# Allegro board MK60_PACK_V20A.brd (continued)
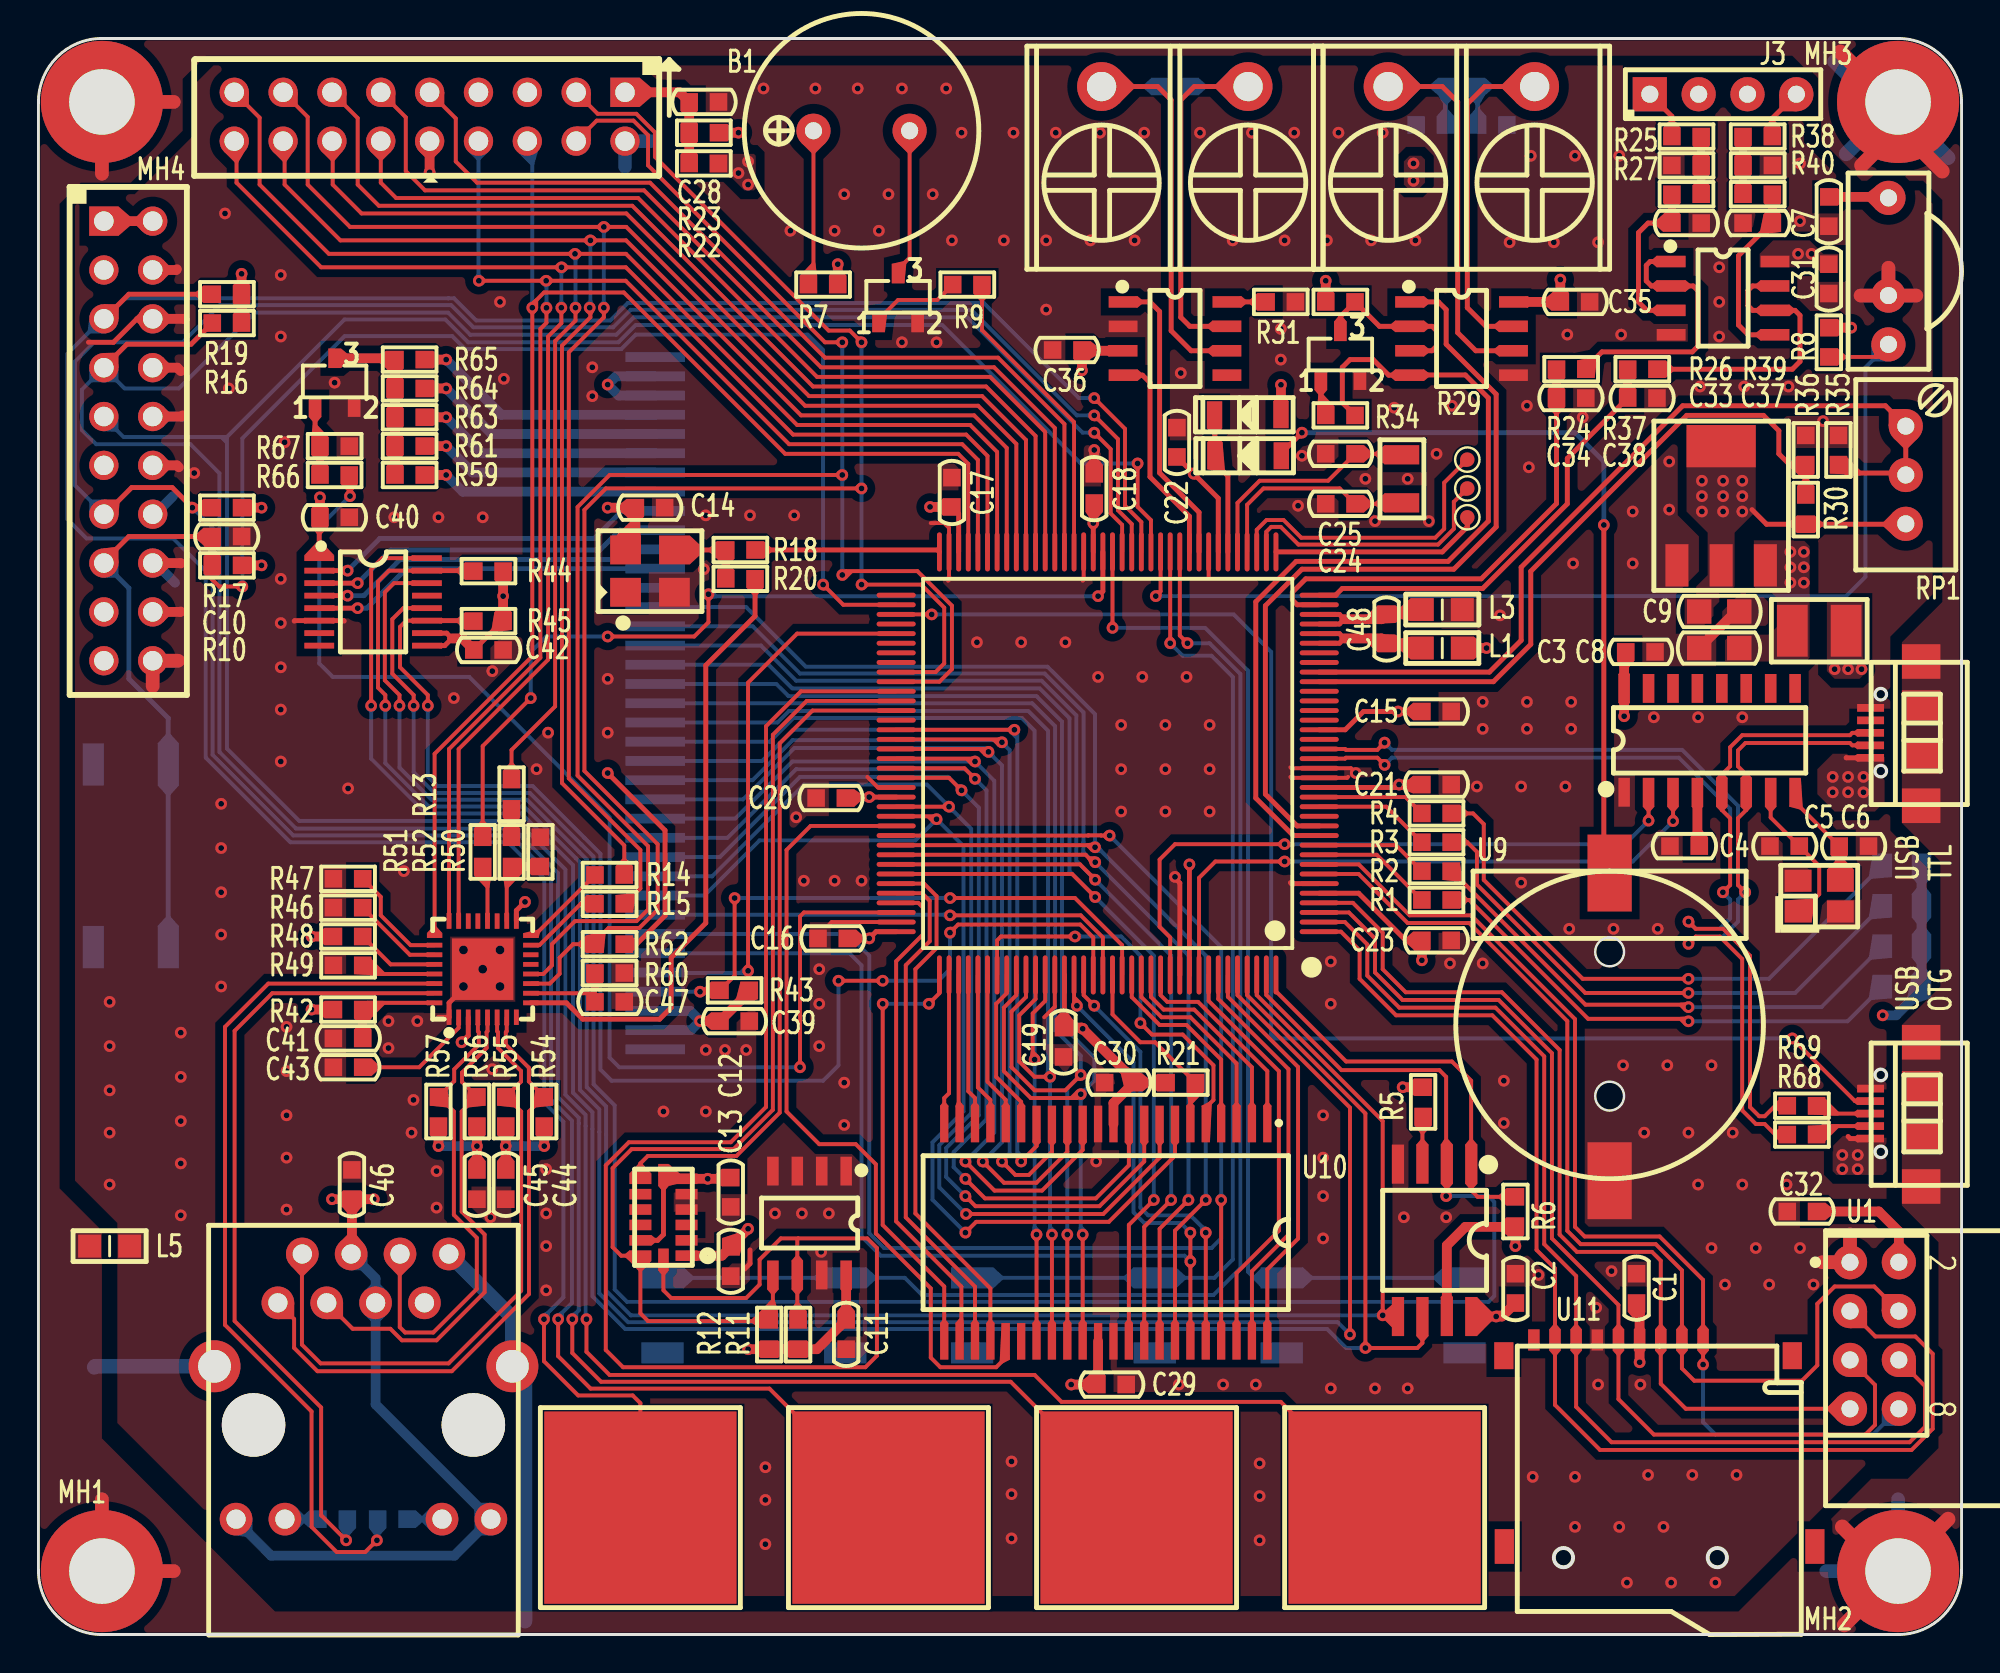
[diagram p0: board, top side]
## Routing (per net, layer and track width the routed paths; a pad name or vN(x,y) marks a point on that pad's centre or on a via; arc(x,y) is an arc through that point) (continued)
SDHC0_D0: length 57.7
  TOP w0.203: U1.6 98.1,12.92 98.1,10.8 97.3,10 81.8,10 79.96,11.84 U11.7 79.96,18.64 78.3,20.3 78.3,30.07 75.77,32.6 70.77,32.6 69.1,34.27 69.1,35.89 67.94,37.05 U4.2
SDHC0_D1: length 63.5
  TOP w0.203: U4.1 67.73,36.55 68.7,35.58 68.7,34.1 70.6,32.2 75.6,32.2 77.9,29.9 77.9,20 78.86,19.04 U11.8 78.86,11.94 81.2,9.6 97.4,9.6 98.5,10.7 98.5,14.6 97.6,15.5 95.52,15.5 U1.3
SDHC0_D2: length 53.6
  TOP w0.203: v1(86.56,14.04) U11.1 86.56,18.44 84.3,20.7 80.4,20.7 79.9,21.2 79.9,32 74.5,37.4 71.3,37.4 68.65,40.05 U4.8
  BOTTOM w0.203: v1(86.56,14.04) 86.56,11.04 87.2,10.4 95.4,10.4 U1.8
SDHC0_D3: length 54.9
  TOP w0.203: U4.7 68.65,39.55 71.2,37 74.4,37 79.5,31.9 79.5,21 80.2,20.3 84.1,20.3 85.46,18.94 U11.2 85.46,13.84 86.1,13.2 91.7,13.2 92.5,14 92.5,17.2 93.4,18.1 95.46,18.1 U1.4
SDHC0_DCLK: length 53.8
  TOP w0.203: U1.5 95.5,12.98 95.5,10.9 95,10.4 84,10.4 82.16,12.24 U11.5 82.16,17.14 78.7,20.6 78.7,30.23 75.93,33 70.93,33 69.5,34.43 69.5,36.19 68.14,37.55 U4.3
TFT_RESET: length 25.7
  TOP w0.203: U4.126 55.35,36.25 54.2,37.4 v1(47.4,37.4)
  BOTTOM w0.203: v1(47.4,37.4) 47.37,37.43 U15.8
TP_CS: length 111
  TOP w0.203: v1(18.04,48.3) 18.04,48.86 17.66,49.24 17.66,54.76 18.23,55.33 U16.15 ; U4.140 62.35,33.25 68.2,27.4 v1(68.2,15.6)
  TOP w0.254: U16.15 22.61,55.33 R44.2
  BOTTOM w0.203: v1(18.04,48.3) 18.04,45.31 20.3,43.06 25.26,43.06 27.95,40.37 28.16,40.16 28.16,28.32 29.16,27.31 29.16,26.14 29.16,17.74 30.66,16.24 67.56,16.24 v1(68.2,15.6)
TP_DCLK: length 116.3
  TOP w0.203: v1(17.3,48.3) 17.3,55.4 17.88,55.98 U16.16 ; U2.6 71.97,15.16 71.7,14.9 v1(69,14.9) 69,27.1 62.85,33.25 U4.141
  BOTTOM w0.203: v1(17.3,48.3) 17.3,45.55 20.15,42.7 25.11,42.7 27.8,40.01 27.8,28.17 28.81,27.17 28.81,26.28 28.81,17.59 30.51,15.89 67.01,15.89 68,14.9 v1(69,14.9)
TP_DIN: length 108.5
  TOP w0.203: U16.14 18.49,54.67 18.01,54.2 18.01,49.62 18.77,48.86 v1(18.77,48.3) ; U4.142 63.35,33.25 69.86,26.75 69.86,26.74 69.9,26.7 v1(69.9,16.6) 70.63,16.6 U2.5
  BOTTOM w0.203: v1(69.9,16.6) 30.81,16.6 29.52,17.89 29.52,25.99 29.52,25.99 29.52,27.46 28.51,28.47 28.51,40.31 28.09,40.72 25.41,43.41 20.44,43.41 18.77,45.08 v1(18.77,48.3)
TP_DOUT: length 116.6
  TOP w0.203: v1(73.2,22.8) 73.23,22.84 U2.2 73.2,24.5 73.2,29 72.85,29.35 67.76,29.35 63.85,33.26 U4.143 ; v1(19.51,48.3) 19.51,48.86 18.4,49.97 18.4,52.8 18.98,53.38 U16.12
  BOTTOM w0.203: v1(19.51,48.3) 19.51,44.85 20.59,43.77 25.55,43.77 28.24,41.08 28.87,40.45 28.87,28.62 29.96,27.52 29.96,17.95 30.61,17.3 75.4,17.3 75.7,17.6 75.7,22.5 75.4,22.8 v1(73.2,22.8)
TP_IRQ: length 69.4
  TOP w0.203: v1(20.25,48.3) 20.25,48.86 18.8,50.31 18.8,52.4 19.12,52.73 U16.11 ; U4.125 54.85,36.25 54.17,36.92 47.82,36.92 v1(47.4,36.5) ; v1(41.6,34) v1(43.9,34)
  TOP w0.254: U16.11 22.61,52.73 R45.2
  BOTTOM w0.203: v1(41.6,34) 41.6,29.6 40.8,28.8 29.8,28.8 29.22,29.38 29.22,40.6 28.39,41.43 25.7,44.12 24.82,44.12 20.74,44.12 20.25,44.61 v1(20.25,48.3) ; v1(47.4,36.5) 47.4,34.6 46.8,34 v1(43.9,34)
TSI_1: length 156.8
  TOP w0.203: T4.1 31.3,12.03 30.9,12.43 28.07,12.43 26.29,14.21 v1(26.29,16.4) ; U4.51 57.35,57.85 56.5,58.7 56.5,62.7 v1(54.9,64.3)
  TOP w0.254: J1.5 3.42,68.42 4.7,69.7 R19.1
  BOTTOM w0.203: v1(54.9,64.3) 54.1,64.3 49.16,69.24 30.65,69.24 29.74,68.33 22.76,68.33 21.61,69.49 21.32,69.49 4.47,69.49 J1.5 3.32,68.42 1.5,66.6 1.5,58 2.5,57 7,57 8.7,55.3 8.7,45.6 13.1,41.2 24.41,41.2 26.3,39.31 26.3,27.66 27.3,26.67 27.3,17.54 26.29,16.53 v1(26.29,16.4)
TSI_2: length 160.1
  TOP w0.203: U4.52 56.85,57.75 56.13,58.47 56.13,62.17 v1(54.9,63.4) ; T3.1 38.01,12.79 28.71,12.79 27.02,14.48 v1(27.02,16.4)
  TOP w0.254: J1.13 3.46,58.26 4.84,59.64 6.96,59.64 v1(8,58.6) R17.1
  BOTTOM w0.203: v1(8,58.6) 9.06,57.54 9.06,45.75 13.25,41.56 24.56,41.56 26.66,39.46 26.66,27.81 27.74,26.72 27.74,17.24 27.02,16.53 v1(27.02,16.4) ; v1(54.9,63.4) 54,63.4 48.51,68.89 30.79,68.89 29.88,67.98 22.62,67.98 21.46,69.13 9.43,69.13 7.5,67.2 2.9,67.2 1.9,66.2 1.9,59.76 J1.13
TSI_3: length 175.1
  TOP w0.203: v1(27.76,16.4) 27.76,14.64 29.26,13.14 50.56,13.14 T2.1 ; v1(54.9,62.5) 55.76,61.64 55.76,58.3 56.35,57.71 U4.53
  TOP w0.254: R16.1 7.94,67.1 4.6,67.1 3.4,65.9 J1.7
  BOTTOM w0.203: v1(54.9,62.5) 54.3,62.5 48.3,68.5 30.96,68.5 30.05,67.59 22.45,67.59 21.3,68.74 11.24,68.74 7.3,64.8 4.48,64.8 J1.7 2.26,64.74 2.26,62.64 3,61.9 7.9,61.9 9.41,60.39 9.41,45.89 13.39,41.91 24.71,41.91 27.01,39.61 27.01,27.96 28.1,26.87 28.1,26.58 28.1,16.86 27.76,16.53 v1(27.76,16.4)
TSI_4: length 172.3
  TOP w0.203: U4.50 57.85,57.95 57.16,58.64 v1(57.16,60.9) ; T1.1 70,6.7 64.6,12.1 53.2,12.1 51.8,13.5 29.7,13.5 28.5,14.7 v1(28.5,16.4)
  BOTTOM w0.203: 9.8,62.27 4.43,62.27 3.4,63.3 J1.9 ; 9.8,62.27 15.91,68.39 21.15,68.39 22.34,67.2 30.16,67.2 31.06,68.1 47,68.1 54.2,60.9 v1(57.16,60.9) ; 9.8,62.27 9.8,46.07 13.56,42.31 24.87,42.31 27.4,39.78 27.4,28.07 28.45,27.02 28.45,26.43 28.45,16.44 v1(28.5,16.4)
TX+: length 32.7
  TOP w0.203: J6.1 13.29,16.41 13.29,14.91 14.51,13.69 21.49,13.69 25.51,17.71 25.51,27.2 26.27,27.96 R54.1 25.5,28.76 25.5,29.47 24.3,30.67 24.3,31.33 24.35,31.37 U17.7
TX-: length 33.5
  TOP w0.203: J6.2 13.7,19.77 13.7,15.07 14.67,14.1 21.33,14.1 25.1,17.87 25.1,27.2 24.34,27.96 R55.1 25.09,28.76 25.09,29.31 23.9,30.5 23.9,31.33 23.85,31.37 U17.6
USB0_DM: length 61.9
  TOP w0.203: v1(88.75,38.6) 88.37,38.98 88.37,42.45 88.81,42.88 U3.6 88.81,44.72 88.37,45.15 88.37,45.97 88.76,46.36 94.2,46.36 94.32,46.24 USB2.2 ; v1(85.8,35.92) 86.18,36.29 87.43,36.29 88.59,35.13 88.59,27.26 89.31,26.55 89.76,26.55 90.31,26 R68.1 ; U4.20 67.94,46.05 67.99,46 69.62,46 v1(70,46.38)
  BOTTOM w0.203: v1(70,46.38) 70.38,46.01 85.47,46.01 88.37,43.1 88.37,38.98 v1(88.75,38.6) 88.37,38.22 88.37,37.07 87.59,36.29 86.18,36.29 v1(85.8,35.92)
USB0_DP: length 61.2
  TOP w0.203: U4.19 67.94,45.55 67.99,45.6 69.63,45.6 v1(70,45.22) ; R69.1 90.31,27.5 89.76,26.95 89.48,26.95 89,27.43 89,35.3 87.6,36.7 86.18,36.7 v1(85.8,37.08) ; USB2.3 94.32,46.89 94.2,46.77 88.59,46.77 87.97,46.14 87.97,45.15 87.53,44.72 U3.5 87.53,42.88 87.97,42.45 87.97,38.98 v1(87.59,38.6)
  BOTTOM w0.203: v1(85.8,37.08) 86.18,36.7 87.43,36.7 87.97,37.24 87.97,38.22 v1(87.59,38.6) 87.97,38.98 87.97,42.93 85.3,45.6 70.38,45.6 v1(70,45.22)
VREF: length 11
  TOP w0.254: U4.37 73,56.3 74.3,57.6 TP1.1
X+: length 18.8
  TOP w0.254: U16.2 v1(16.07,55.33)
  BOTTOM w0.254: v1(16.07,55.33) 17.75,57 28.9,57 30.33,58.43 U15.29
X-: length 18.5
  TOP w0.254: 14.6,54.02 v1(16.07,54.02)
  BOTTOM w0.254: U15.27 30.33,56.43 29.8,55.9 18.8,55.9 16.93,54.02 v1(16.07,54.02)
XTAL32: length 11.2
  TOP w0.203: Y3.2 70.85,58.8 C24.2 67.66,59.6 63.7,59.6 62.85,58.75 U4.40
Y+: length 18.6
  TOP w0.254: U16.3 v1(16.6,54.67)
  BOTTOM w0.254: v1(16.6,54.67) 18.32,56.4 29.2,56.4 30.23,57.43 U15.28
Y-: length 18.3
  TOP w0.254: U16.5 v1(16.6,53.38)
  BOTTOM w0.254: U15.26 19.13,55.43 17.07,53.38 v1(16.6,53.38)
N16963284: length 3
  TOP w0.203: USB1.2 92.8,26.44 92.46,26.1 R68.2
N16963287: length 3
  TOP w0.203: R69.2 92.87,27.09 USB1.3
N16964680: length 2.8
  TOP w0.508: C4.1 86.27,41.1 U3.4
N16965889: length 7.8
  TOP w0.203: U3.7 90.08,42.49 C5.2 92.6,39.96 92.6,38.5 91.7,37.6 Y1.1
N16965893: length 5.6
  TOP w0.203: U3.8 91.34,43.29 C6.2 93.7,40.94 Y1.3
N16967838: length 4.8
  TOP w0.203: R9.2 46.74,69.4 44.7,69.4 43.68,68.38 Q1.1
N16967840: length 7.7
  TOP w0.203: Q1.3 44.7,71 45.3,71.6 B1.2
N16967852: length 8.1
  TOP w0.203: R7.1 40.1,70.2 40.3,70.4 B1.1
N16969168: length 2.5
  TOP w0.203: U2.3 71.97,26.9 R5.2
N17005333: length 6.7
  TOP w0.508: J2.1 33.34,80.2 C28.1 R23.1 R22.1
N17006644: length 1.7
  BOTTOM w0.254: R58.2 12.81,6
N17006646: length 1.8
  BOTTOM w0.254: R53.2 J6.11
N17007364: length 6.4
  TOP w0.203: C43.1 19.8,29.5 21.85,31.55 U17.2
N17007464: length 4.9
  TOP w0.203: C47.1 28.94,33.2 ; 28.94,33.2 28.79,33.35 U17.10 ; 28.94,33.2 R60.1
N17008040: length 2.9
  TOP w0.203: R51.2 23.35,39.69 U17.20
N17008183: length 5.7
  TOP w0.203: U17.26 19.35,35.85 17.8,37.4 17.8,38.36 R47.2
N17008188: length 4.8
  TOP w0.203: U17.27 19.31,35.35 R46.2
N17009702: length 5.3
  TOP w0.508: R55.2 v1(24.3,25.4) C44.2 ; v1(26.3,25.4) R54.2
  BOTTOM w0.508: v1(24.3,25.4) v1(26.3,25.4)
N17009834: length 5.3
  TOP w0.508: v1(20.8,25.4) R57.2 ; C45.2 v1(22.8,25.4) R56.2
  BOTTOM w0.508: v1(22.8,25.4) v1(20.8,25.4)
N17012325: length 9.2
  TOP w0.508: Q3.3 18.47,66.37 R65.2 R64.2 R63.2 R61.2 R59.2
N17014487: length 3.6
  TOP w0.254: Q3.1 14.38,62.05 R67.2 R66.2
N17017247: length 7.4
  TOP w0.254: U4.42 61.85,60.25 61.17,60.93 D5.2 61.17,63.42 D6.2
N17021181: length 4.2
  TOP w0.254: Y2.3 R18.1 R20.1
N17030596: length 3
  TOP w0.254: R38.2 R40.1 R39.1
N17030602: length 9.7
  TOP w0.254: U12.5 88.91,67.59 88.4,68.1 88.4,71.7 90.1,73.4 C37.2 R39.2
N17030649: length 15.2
  TOP w0.254: U12.7 89.13,70.13 88.9,69.9 88.9,69.1 89.14,68.86 U12.6 91.34,68.86 91.6,68.6 91.6,66.2 91.2,65.8 R37.1
N17030741: length 14.3
  TOP w0.254: U12.1 83.81,71.4 83.61,71.2 83.61,70.39 83.87,70.13 U12.2 86.05,70.13 86.3,69.88 86.3,67 86,66.7 81.3,66.7 80.46,65.86 R24.1
N17030791: length 3
  TOP w0.254: R25.2 R27.1 R26.1
N17030797: length 8.9
  TOP w0.254: R26.2 C33.2 83.7,73.4 83.2,72.9 83.2,69.3 83.64,68.86 U12.3
N17033052: length 22.3
  TOP w0.254: J4.1 75.2,80.5 74.3,79.6 74.3,69 75.27,68.03 U13.7
  BOTTOM w0.254: R28.2 74.84,80.42 R32.1 J4.1
N17033058: length 24.3
  TOP w0.254: U13.6 74.74,66.76 73.8,67.7 73.8,79.7 73,80.5 J4.2
  BOTTOM w0.254: R41.1 73.16,80.42 R32.2 J4.2
N17033137: length 1.9
  TOP w0.254: Q2.1 66.68,63.65 R34.2
N17033163: length 9
  TOP w0.254: U13.3 72.46,66.76 72.7,67 72.7,67.8 72.47,68.03 U13.2 69.73,68.03 R29.2 67.7,68.54 Q2.3
N17033824: length 2
  TOP w0.254: U14.8 R31.2
N17033840: length 20.7
  TOP w0.254: J5.1 60.1,80.5 59.4,79.8 59.4,68.5 59.87,68.03 U14.7
  BOTTOM w0.254: R33.1 J5.1
N17033854: length 22.3
  TOP w0.254: U14.6 59.94,66.76 58.9,67.8 58.9,79.8 58.2,80.5 J5.2
  BOTTOM w0.254: R33.2 J5.2
N169613021: length 25.8
  TOP w0.203: R1.2 74.4,38.2 80.58,32.02 85.67,32.02 v1(85.8,31.89)
  BOTTOM w0.203: v1(85.8,31.89) 94.07,31.89 D1.2
N169615491: length 26.7
  TOP w0.203: v1(85.8,32.63) 85.67,32.75 80.45,32.75 73.5,39.7 R2.2
  BOTTOM w0.203: v1(85.8,32.63) 92.71,32.63 D2.2
N169619491: length 28.5
  TOP w0.203: v1(85.8,33.36) 80.44,33.36 74.8,39 74.8,40.7 74.3,41.2 R3.2
  BOTTOM w0.203: D3.2 91.35,33.36 v1(85.8,33.36)
N169619871: length 30.1
  TOP w0.203: v1(85.8,34.1) 80.3,34.1 75.16,39.24 75.16,42.14 74.6,42.7 R4.2
  BOTTOM w0.203: D4.2 89.98,34.1 v1(85.8,34.1)
N170172430: length 39.5
  TOP w0.254: v1(81.4,57.7) 81.4,39.9 U9.1 ; D5.1 64.63,61.43 v1(65.7,62.5)
  BOTTOM w0.254: v1(81.4,57.7) 81.4,61 79.9,62.5 v1(65.7,62.5)

## Copper pours and planes (outline as drawn; the poured copper is in the pictures)
GND on BOTTOM: 96.1,32 96.1,9.9 88.2,2 24.9,2 24.9,21.3 8.9,21.3 8.9,6.2 4.1,11 4.1,21.4 1.9,23.6 1.9,74.3 2.5,74.9 5,74.9 8.1,78 8.1,80.6 9.1,81.6 90.3,81.6 91.8,80.1 91.8,77.6 94.3,75.1 97.8,75.1 98.5,74.4 98.5,54.1 96.3,51.9 96.3,41.8 98.2,39.9 98.2,34.1 ; 45 cut-outs
GND on GND: 3.3,0.2 0.2,3.3 0.2,79.7 3.3,82.8 96.7,82.8 99.8,79.7 99.8,3.3 96.7,0.2 24.9,0.2 24.9,21.3 8.9,21.3 8.9,0.2 ; 21 cut-outs
GND_EARTH on TOP, BOTTOM: 3.3,0.1 0.1,3.3 0.1,79.7 3.3,82.9 96.7,82.9 99.9,79.7 99.9,3.3 96.7,0.1 ; 1 cut-out
VCC_3.3V on TOP (solid shape): 4.88,73.64 4.92,73.5 4.88,73.36 4.16,72.74 3.34,73.5 4.16,74.26
VCC_3.3V on TOP (solid shape): 30.9,58 31.12,58.02 31.28,57.86 31.32,56.91 30.51,56.34 30.04,57.15
VCC_3.3V on BOTTOM (solid shape): 97.95,33.75 98.42,33.09 97.43,32.75 97.24,32.82 97.15,33.01 97.41,34.31
VCC_3.3V on TOP: 87.1,52.5 87.1,53.4 88.2,54.5 88.2,57.3 89.3,58.4 89.3,62.9 89.2,63 85.7,63 85.7,58.4 86.8,57.3 86.8,55.1 85.6,53.9 85.6,52.5
VCC_3.3V on BOTTOM: 86.4,60.6 88.8,60.6 89.1,60.3 89.1,58.2 88.8,57.9 86.3,57.9 86,58.2 86,60.2
VCC_3.3V on POWER: 3.3,0.2 0.2,3.3 0.2,79.7 3.3,82.8 96.7,82.8 99.8,79.7 99.8,3.3 96.7,0.2 25,0.2 25,21.3 8.9,21.3 8.9,0.2 ; 21 cut-outs
VCC_5V on TOP: 34.9,77 37.2,77 37.3,76.9 37.3,75.2 37.2,75.1 36.7,75.1 35.8,76 34.9,76
VCC_5V on TOP: 71.3,76.9 71.9,76.9 72.1,76.7 72.1,75.5 71.8,75.2 71.2,75.2 71,75.4 71,76.6
VCC_5V on TOP: 89.5,71.1 92.4,71.1 92.7,70.8 93.6,70.8 93.6,71.8 92.8,71.8 92.1,72.5 90.2,72.5 89.5,71.8
VCC_5V on TOP: 87.7,50.6 91.9,50.6 92.1,50.8 92.1,56.6 91.8,56.9 89.2,56.9 89.2,54.5 89.3,54.4 89.9,54.4 90.4,53.9 90.4,52.4 90,52 87.7,52
VCC_5V on BOTTOM: 72.1,78.9 72.1,75.4 71.9,75.2 71.2,75.2 71,75.4 71,78.7 71.2,78.9
VCC_5V on BOTTOM: 91.2,72.2 92.4,72.2 92.6,72 92.6,71.5 92.4,71.3 91.3,71.3 91.1,71.5 91.1,72.1
VCC_5V on BOTTOM: 36.3,76.9 37.1,76.9 37.3,76.7 37.3,75.2 37.1,75 36.2,75 36,75.2 36,76.6
VCC_5V on BOTTOM: 91,56.8 91.9,56.8 92.2,56.5 92.2,54.6 91.9,54.3 91,54.3 90.7,54.6 90.7,56.5
VCC_5V on POWER: 36.1,76.9 91.4,76.9 92.5,75.8 92.5,54.6 92.1,54.2 90.8,54.2 90.5,54.5 90.5,74.4 89.8,75.1 36.2,75.1 35.9,75.4 35.9,76.7
VCC_USB on TOP: 96,45.8 93.3,45.8 92.5,45 92.5,43.7 93.4,42.8 95.5,42.8 96,43.3
VCC_USB on TOP: 93,53.7 94.9,53.7 94.9,49.9 94.7,49.7 93.4,49.7 93,50.1
VCC_USB on TOP: 96,26 93.9,26 93.3,25.4 93.3,24.1 93.5,23.9 95.9,23.9 96.1,24.1 96.1,25.9
VCC_USB on BOTTOM: 93.6,25.4 94.8,25.4 95.1,25.1 95.1,24 94.8,23.7 93.6,23.7 93.3,24 93.3,25.1
VCC_USB on BOTTOM: 93.2,43.2 92.7,43.7 92.7,45.2 93.1,45.6 93.1,50.4 93.3,50.6 94.9,50.6 95.2,50.3 95.2,45.6 95.6,45.2 95.6,43.6 95.2,43.2
VCC_USB on POWER: 93.4,23.8 94.9,23.8 95.4,24.3 95.4,44.6 94.9,45.1 93.1,45.1 92.8,44.8 92.8,24.4
(no net) on TOP: 88.2,2 24.9,2 24.9,21.3 8.9,21.3 8.9,6.2 4.1,11 4.1,21.4 1.9,23.6 1.9,74.3 2.5,74.9 5,74.9 8.1,78 8.1,80.6 9.1,81.6 90.3,81.6 91.8,80.1 91.8,77.6 94.3,75.1 97.8,75.1 98.5,74.4 98.5,54.1 96.3,51.9 96.3,41.8 98.2,39.9 98.2,34.1 96.1,32 96.1,9.9 ; 56 cut-outs
A4 on BOTTOM (solid shape): 64.68,18.55 63.55,18.07 63.13,18.49 63.11,18.55 63.13,18.61 63.55,19.03
A4 on BOTTOM (solid shape): 66.28,18.61 66.3,18.55 66.28,18.49 65.75,18 64.62,18.55 65.75,19.1
A4 on BOTTOM (solid shape): 74.18,18.55 73.05,18 72.52,18.49 72.5,18.55 72.52,18.61 73.05,19.1
E26 on BOTTOM (solid shape): 34.08,18.61 34.1,18.55 34.08,18.49 33.55,18 32.42,18.55 33.55,19.1
E26 on BOTTOM (solid shape): 41.98,18.55 40.85,18 40.32,18.49 40.3,18.55 40.32,18.61 40.85,19.1
E26 on BOTTOM (solid shape): 43.58,18.61 43.6,18.55 43.58,18.49 43.05,18 41.92,18.55 43.05,19.1
E27 on BOTTOM (solid shape): 50.18,18.61 50.2,18.55 50.18,18.49 49.65,18 48.52,18.55 49.65,19.1
E27 on BOTTOM (solid shape): 58.08,18.55 56.95,18 56.42,18.49 56.4,18.55 56.42,18.61 56.95,19.1
E27 on BOTTOM (solid shape): 59.68,18.61 59.7,18.55 59.68,18.49 59.15,18 58.02,18.55 59.15,19.1
RESET on BOTTOM (solid shape): 6.67,46.87 6.75,46.9 6.83,46.87 7.3,46.35 6.75,45.22 6.2,46.35
RESET on BOTTOM (solid shape): 6.67,37.37 6.75,37.4 6.83,37.37 7.3,36.85 6.75,35.72 6.2,36.85
RESET on BOTTOM (solid shape): 7.3,44.15 6.83,43.63 6.75,43.6 6.67,43.63 6.2,44.15 6.75,45.28
N16965889 on TOP (solid shape): 92.28,38.28 92.35,38.24 92.38,38.17 92.2,37.02 91.48,37.58 90.8,38.17
N17005333 on TOP (solid shape): 31.98,80.34 32.02,80.2 31.98,80.06 31.26,79.44 30.44,80.2 31.26,80.96
N17017247 on TOP (solid shape): 61.7,60.53 61.66,60.43 61.56,60.4 60.77,60.6 61.11,61.41 61.57,62
N17021181 on TOP (solid shape): 34.59,56.48 34.62,56.4 34.59,56.32 33.87,55.65 33.04,56.4 33.87,57.15
N17033052 on TOP (solid shape): 77.83,80.5 76.9,79.6 76.09,80.41 76.06,80.5 76.09,80.59 76.9,81.4
N17033052 on BOTTOM (solid shape): 77.83,80.5 76.9,79.6 76.09,80.41 76.06,80.5 76.09,80.59 76.9,81.4
N17033058 on TOP (solid shape): 71.89,80.59 71.92,80.5 71.89,80.41 71.08,79.6 70.15,80.5 71.08,81.4
N17033058 on BOTTOM (solid shape): 71.89,80.59 71.92,80.5 71.89,80.41 71.08,79.6 70.15,80.5 71.08,81.4
N17033840 on TOP (solid shape): 62.93,80.5 62,79.6 61.19,80.41 61.16,80.5 61.19,80.59 62,81.4
N17033840 on BOTTOM (solid shape): 62.93,80.5 62,79.6 61.19,80.41 61.16,80.5 61.19,80.59 62,81.4
N17033854 on TOP (solid shape): 56.99,80.59 57.02,80.5 56.99,80.41 56.18,79.6 55.25,80.5 56.18,81.4
N17033854 on BOTTOM (solid shape): 56.99,80.59 57.02,80.5 56.99,80.41 56.18,79.6 55.25,80.5 56.18,81.4
N169613021 on BOTTOM (solid shape): 95.9,33.72 96.39,33.09 95.27,32.99 95.2,33.02 95.17,33.1 95.38,34.31
N169615491 on BOTTOM (solid shape): 95.9,35.82 96.39,35.19 95.27,35.09 95.2,35.12 95.17,35.2 95.38,36.41
N169619491 on BOTTOM (solid shape): 95.9,37.92 96.39,37.29 95.27,37.19 95.2,37.22 95.17,37.3 95.38,38.51
N169619871 on BOTTOM (solid shape): 95.9,40.02 96.39,39.39 95.27,39.29 95.2,39.32 95.17,39.4 95.38,40.61
GND on TOP (solid shape): 6.84,71.14 6.91,70.96 6.84,70.78 6.48,70.42 5.88,70.96 6.48,71.5
GND on TOP (solid shape): 6.84,68.6 6.91,68.42 6.84,68.24 6.48,67.88 5.88,68.42 6.48,68.96
GND on TOP (solid shape): 6.84,66.06 6.91,65.88 6.84,65.7 6.48,65.34 5.88,65.88 6.48,66.42
GND on TOP (solid shape): 6.84,63.52 6.91,63.34 6.84,63.16 6.48,62.8 5.88,63.34 6.48,63.88
GND on TOP (solid shape): 6.84,60.98 6.91,60.8 6.84,60.62 6.48,60.26 5.88,60.8 6.48,61.34
GND on TOP (solid shape): 6.84,55.9 6.91,55.72 6.84,55.54 6.48,55.18 5.88,55.72 6.48,56.26
GND on TOP (solid shape): 6.84,53.36 6.91,53.18 6.84,53 6.48,52.64 5.88,53.18 6.48,53.72
GND on BOTTOM (solid shape): 6.84,63.52 6.91,63.34 6.84,63.16 6.48,62.8 5.88,63.34 6.48,63.88
VCC_3.3V on TOP (solid shape): 14.52,56.86 14.6,56.89 14.68,56.86 15.38,56.12 14.6,55.94 13.82,56.12
VCC_3.3V on TOP (solid shape): 24.18,52.72 24.62,52.24 23.68,52.12 23.59,52.15 23.55,52.25 23.7,53.16
VCC_3.3V on TOP (solid shape): 75.2,51.43 75.24,51.3 75.2,51.17 74.64,50.7 73.98,51.3 74.64,51.9
VCC_3.3V on TOP (solid shape): 75.67,16.67 75.71,16.54 75.67,16.4 74.82,15.54 74.44,16.54 74.82,17.53
VCC_3.3V on TOP (solid shape): 97.13,57.76 96.48,57.13 95.91,57.64 95.87,57.74 95.91,57.83 96.47,58.39
VCC_3.3V on TOP (solid shape): 71.97,44.2 71.48,43.74 70.93,43.94 70.88,44.03 70.9,44.13 71.48,44.66
VCC_3.3V on TOP (solid shape): 83.56,16.78 83.46,16.26 83.3,16.17 83.13,16.2 82.64,16.78 83.09,17.3
VCC_3.3V on TOP (solid shape): 6,73.5 5.4,72.96 5.04,73.32 4.97,73.5 5.04,73.68 5.4,74.04
VCC_3.3V on TOP (solid shape): 16.12,20.85 16.31,20.93 16.5,20.83 16.88,20.37 16.26,19.73 15.66,20.39
VCC_3.3V on TOP (solid shape): 20.88,77.12 20.52,76.76 20.34,76.69 20.16,76.76 19.8,77.12 20.34,77.72
VCC_3.3V on TOP (solid shape): 33.5,23.84 33.54,23.65 33.44,23.49 32.77,23.33 32.44,23.92 32.77,24.47
VCC_3.3V on TOP (solid shape): 36.45,20.91 36.63,20.84 36.71,20.66 36.46,19.7 35.96,20.12 35.54,20.62
VCC_3.3V on TOP (solid shape): 37,33.55 37.42,33.04 36.53,32.71 36.33,32.78 36.25,32.97 36.5,33.96
VCC_3.3V on TOP (solid shape): 96.56,20.44 96.74,20.51 96.92,20.44 97.37,19.99 96.74,19.3 96.11,19.99
VCC_3.3V on TOP (solid shape): 56.25,29.3 56.34,29.49 56.54,29.55 57.42,29.16 57,28.65 56.5,28.24
VCC_3.3V on TOP (solid shape): 96.26,74.71 95.57,74.08 95.07,74.58 95,74.78 95.09,74.96 95.59,75.36
VCC_3.3V on BOTTOM (solid shape): 97.8,38.99 97.92,39.02 98.03,38.99 98.42,38.51 97.92,37.84 97.41,38.51
VCC_3.3V on BOTTOM (solid shape): 97.8,36.89 97.92,36.92 98.03,36.89 98.42,36.41 97.92,35.74 97.41,36.41
VCC_3.3V on BOTTOM (solid shape): 97.8,34.79 97.92,34.82 98.03,34.79 98.42,34.31 97.92,33.64 97.41,34.31
VCC_3.3V on BOTTOM (solid shape): 98.42,39.39 98.03,38.91 97.92,38.88 97.8,38.91 97.41,39.39 97.92,40.06
VCC_3.3V on BOTTOM (solid shape): 98.42,37.29 98.03,36.81 97.92,36.78 97.8,36.81 97.41,37.29 97.92,37.96
VCC_3.3V on BOTTOM (solid shape): 98.42,35.19 98.03,34.71 97.92,34.68 97.8,34.71 97.41,35.19 97.92,35.86
VCC_3.3V on BOTTOM (solid shape): 17.35,18.27 17.53,18.35 17.71,18.27 18.13,17.85 17.53,17.19 16.93,17.85
VCC_3.3V on BOTTOM (solid shape): 18.13,16.65 17.71,16.23 17.53,16.15 17.35,16.23 16.93,16.65 17.53,17.31
VDDA3V3 on TOP (solid shape): 72.02,51.29 71.36,50.7 70.57,51.39 70.53,51.59 70.65,51.75 71.36,51.9
VDDA3V3 on TOP (solid shape): 70.56,52 70.16,51.52 69.64,51.08 68.96,51.66 68.95,51.91 69.14,52.05
VSSA on TOP (solid shape): 72.02,53.31 71.36,52.7 70.65,52.85 70.53,53.01 70.57,53.21 71.36,53.9
VSSA on TOP (solid shape): 70.16,53.08 70.56,52.6 69.14,52.55 68.95,52.69 68.96,52.94 69.64,53.52
ADC0_DM0 on TOP (solid shape): 97.73,62.21 97.19,61.67 97.1,61.64 97.01,61.67 96.47,62.21 97.1,62.87
ADC0_DM0 on TOP (solid shape): 94.79,60.48 94.81,60.35 94.69,60.27 93.14,60.38 93.57,60.85 93.99,61.28
B3 on TOP (solid shape): 38.12,17.44 38.21,17.46 38.28,17.41 38.46,16.82 38,16.34 37.54,16.82
CONFIG1 on TOP (solid shape): 18.03,34.42 18.05,34.31 17.95,34.25 16.4,34.34 16.84,34.81 17.23,35.21
CONFIG2 on TOP (solid shape): 25.06,39.48 24.42,38.8 24.32,38.78 24.25,38.84 24.14,39.48 24.61,39.96
EXTAL32 on TOP (solid shape): 70.93,61.35 70,60.85 69.47,61.34 69.45,61.41 69.48,61.47 70,61.85
FB_5 on TOP (solid shape): 60.89,27.71 60.98,27.7 61.02,27.62 60.92,25.6 60.68,26.45 60.48,27.5
FB_15 on TOP (solid shape): 50.32,15.35 50.52,14.3 50.11,14.09 50.02,14.1 49.98,14.18 50.08,16.2
FB_CS1 on TOP (solid shape): 60.62,28.24 59.97,27.55 59.87,27.53 59.8,27.59 59.7,28.24 60.17,28.72
OV7620_HREF on BOTTOM (solid shape): 25.98,77.17 25.78,76.44 25.7,76.37 25.61,76.4 24.88,77.12 25.41,77.68
OV7620_SCL on TOP (solid shape): 29.38,36.6 29.46,36.57 29.5,36.5 29.4,35.44 28.92,35.88 28.48,36.36
OV7620_VSYNC on BOTTOM (solid shape): 23.42,77.12 22.95,76.65 22.88,76.62 22.81,76.65 22.34,77.12 22.88,77.69
OV7620_Y1 on TOP (solid shape): 18.34,77.12 17.87,76.65 17.8,76.62 17.73,76.65 17.26,77.12 17.8,77.69
OV7620_Y3 on TOP (solid shape): 15.8,77.13 15.38,76.62 15.3,76.58 15.23,76.61 14.72,77.12 15.26,77.69
OV7620_Y4 on TOP (solid shape): 30.96,38.56 31.03,38.53 31.06,38.45 30.92,37.54 30.44,37.98 30,38.46
OV7620_Y5 on TOP (solid shape): 13.27,77.13 12.88,76.59 12.81,76.54 12.73,76.57 12.18,77.12 12.72,77.69
OV7620_Y7 on TOP (solid shape): 10.73,77.14 10.39,76.55 10.31,76.51 10.23,76.53 9.64,77.12 10.18,77.69
RST on TOP (solid shape): 17.97,32.95 18.05,32.89 18.03,32.79 17.32,32.07 16.84,32.49 17.32,32.96
RX+ on TOP (solid shape): 22.82,27.98 23.26,27.5 22.31,27.4 22.24,27.43 22.21,27.51 22.34,28.42
RX- on TOP (solid shape): 19.4,19.19 18.86,18.65 18.79,18.62 18.71,18.65 18.2,19.19 18.8,19.82
RX- on TOP (solid shape): 21.4,27.51 21.37,27.43 21.3,27.4 20.34,27.5 20.78,27.98 21.26,28.42
SDHC0_CMD on TOP (solid shape): 94.23,11.74 93.57,11.11 93.01,11.67 92.98,11.74 93.01,11.81 93.57,12.37
TP_DIN on TOP (solid shape): 70.72,16.54 70.38,15.98 69.82,16.54 69.8,16.6 69.82,16.67 70.39,17.16
TX+ on TOP (solid shape): 26.32,27.98 26.76,27.5 25.81,27.4 25.74,27.43 25.71,27.51 25.84,28.42
TX- on TOP (solid shape): 14.32,19.19 13.77,18.64 13.7,18.61 13.63,18.64 13.12,19.19 13.72,19.82
TX- on TOP (solid shape): 24.9,27.51 24.87,27.43 24.8,27.4 23.84,27.5 24.28,27.98 24.76,28.42
XTAL32 on TOP (solid shape): 70.93,58.85 70,58.35 69.48,58.73 69.45,58.79 69.47,58.86 70,59.35
N16963284 on TOP (solid shape): 93.56,26.54 93.65,26.48 93.63,26.38 92.84,25.58 92.44,25.99 92,26.46
N16963287 on TOP (solid shape): 93.63,27.15 93.65,27.05 93.56,26.99 92,27.04 92.44,27.51 92.85,27.93
N16965893 on TOP (solid shape): 93.63,40.45 93.7,40.47 93.77,40.45 94.4,39.77 93.7,39.17 93,39.77
N16965893 on TOP (solid shape): 91.75,42.99 91.71,42.92 91.64,42.89 91.05,43.05 91.31,43.9 91.64,44.55
N16967840 on TOP (solid shape): 45.93,77.57 45.37,77.01 45.3,76.98 45.23,77.01 44.67,77.57 45.3,78.23
N16967852 on TOP (solid shape): 40.93,77.57 40.37,77.01 40.3,76.98 40.23,77.01 39.67,77.57 40.3,78.23
N16967852 on TOP (solid shape): 40.23,71.35 40.33,71.37 40.4,71.31 40.5,70.66 40.03,70.18 39.58,70.66
N17006644 on BOTTOM (solid shape): 13.93,6.09 13.96,6 13.93,5.91 13.42,5.4 12.78,6 13.42,6.6
N17006646 on BOTTOM (solid shape): 21.02,6 20.38,5.4 19.87,5.91 19.84,6 19.87,6.09 20.38,6.6
N17008040 on TOP (solid shape): 23.56,39.48 23.45,38.84 23.38,38.78 23.28,38.8 22.64,39.48 23.09,39.96
N17014487 on TOP (solid shape): 14.26,62.88 14.35,62.96 14.46,62.94 15.1,62.26 14.65,61.77 14.18,62.26
N17030602 on TOP (solid shape): 90.19,73.42 90.62,72.94 89.64,72.82 89.55,72.86 89.52,72.95 89.7,73.86
N17030741 on TOP (solid shape): 80.91,66.45 81.01,66.41 81.05,66.32 80.92,65.34 80.44,65.78 80,66.26
N17033137 on TOP (solid shape): 66.56,64.48 66.65,64.56 66.76,64.54 67.4,63.86 66.95,63.37 66.48,63.86
N169615491 on TOP (solid shape): 74.06,39.25 74.03,39.17 73.96,39.14 73,39.24 73.44,39.72 73.92,40.16

Small or netless copper shapes (teardrops, artwork), in the pictures only: 478 on TOP, 170 on BOTTOM

## Text on the board
Ref Des/Silkscreen Bottom: RESET | WWW.NXP.COM | L | NAME:MK60_PACK_V20A.BRD | DATE:2017_09_07 | BY:xxxLZJxxx | H | A | B | AD1 | GND | AD2 | NXP | MK60DN512 EVAL BOARD
Ref Des/Silkscreen Top: USB | TTL | OTG
COMPVAL_TYPE_TOP: FIGURE | SIZE | 0.3048 | 0.4572 | 0.889 | 1.0008 | 1.016 | 1.524 | 1.7 | 3.4036 | 3.3 | DRILL CHART: TOP to BOTTOM | ALL UNITS ARE IN MILLIMETERS | PLATED | NON-PLATED | QTY | 459 | 5 | 20 | 12 | 38 | 4 | 2
